# Altium PCB Printing2.PcbDoc (part 2 of 5) (continued)
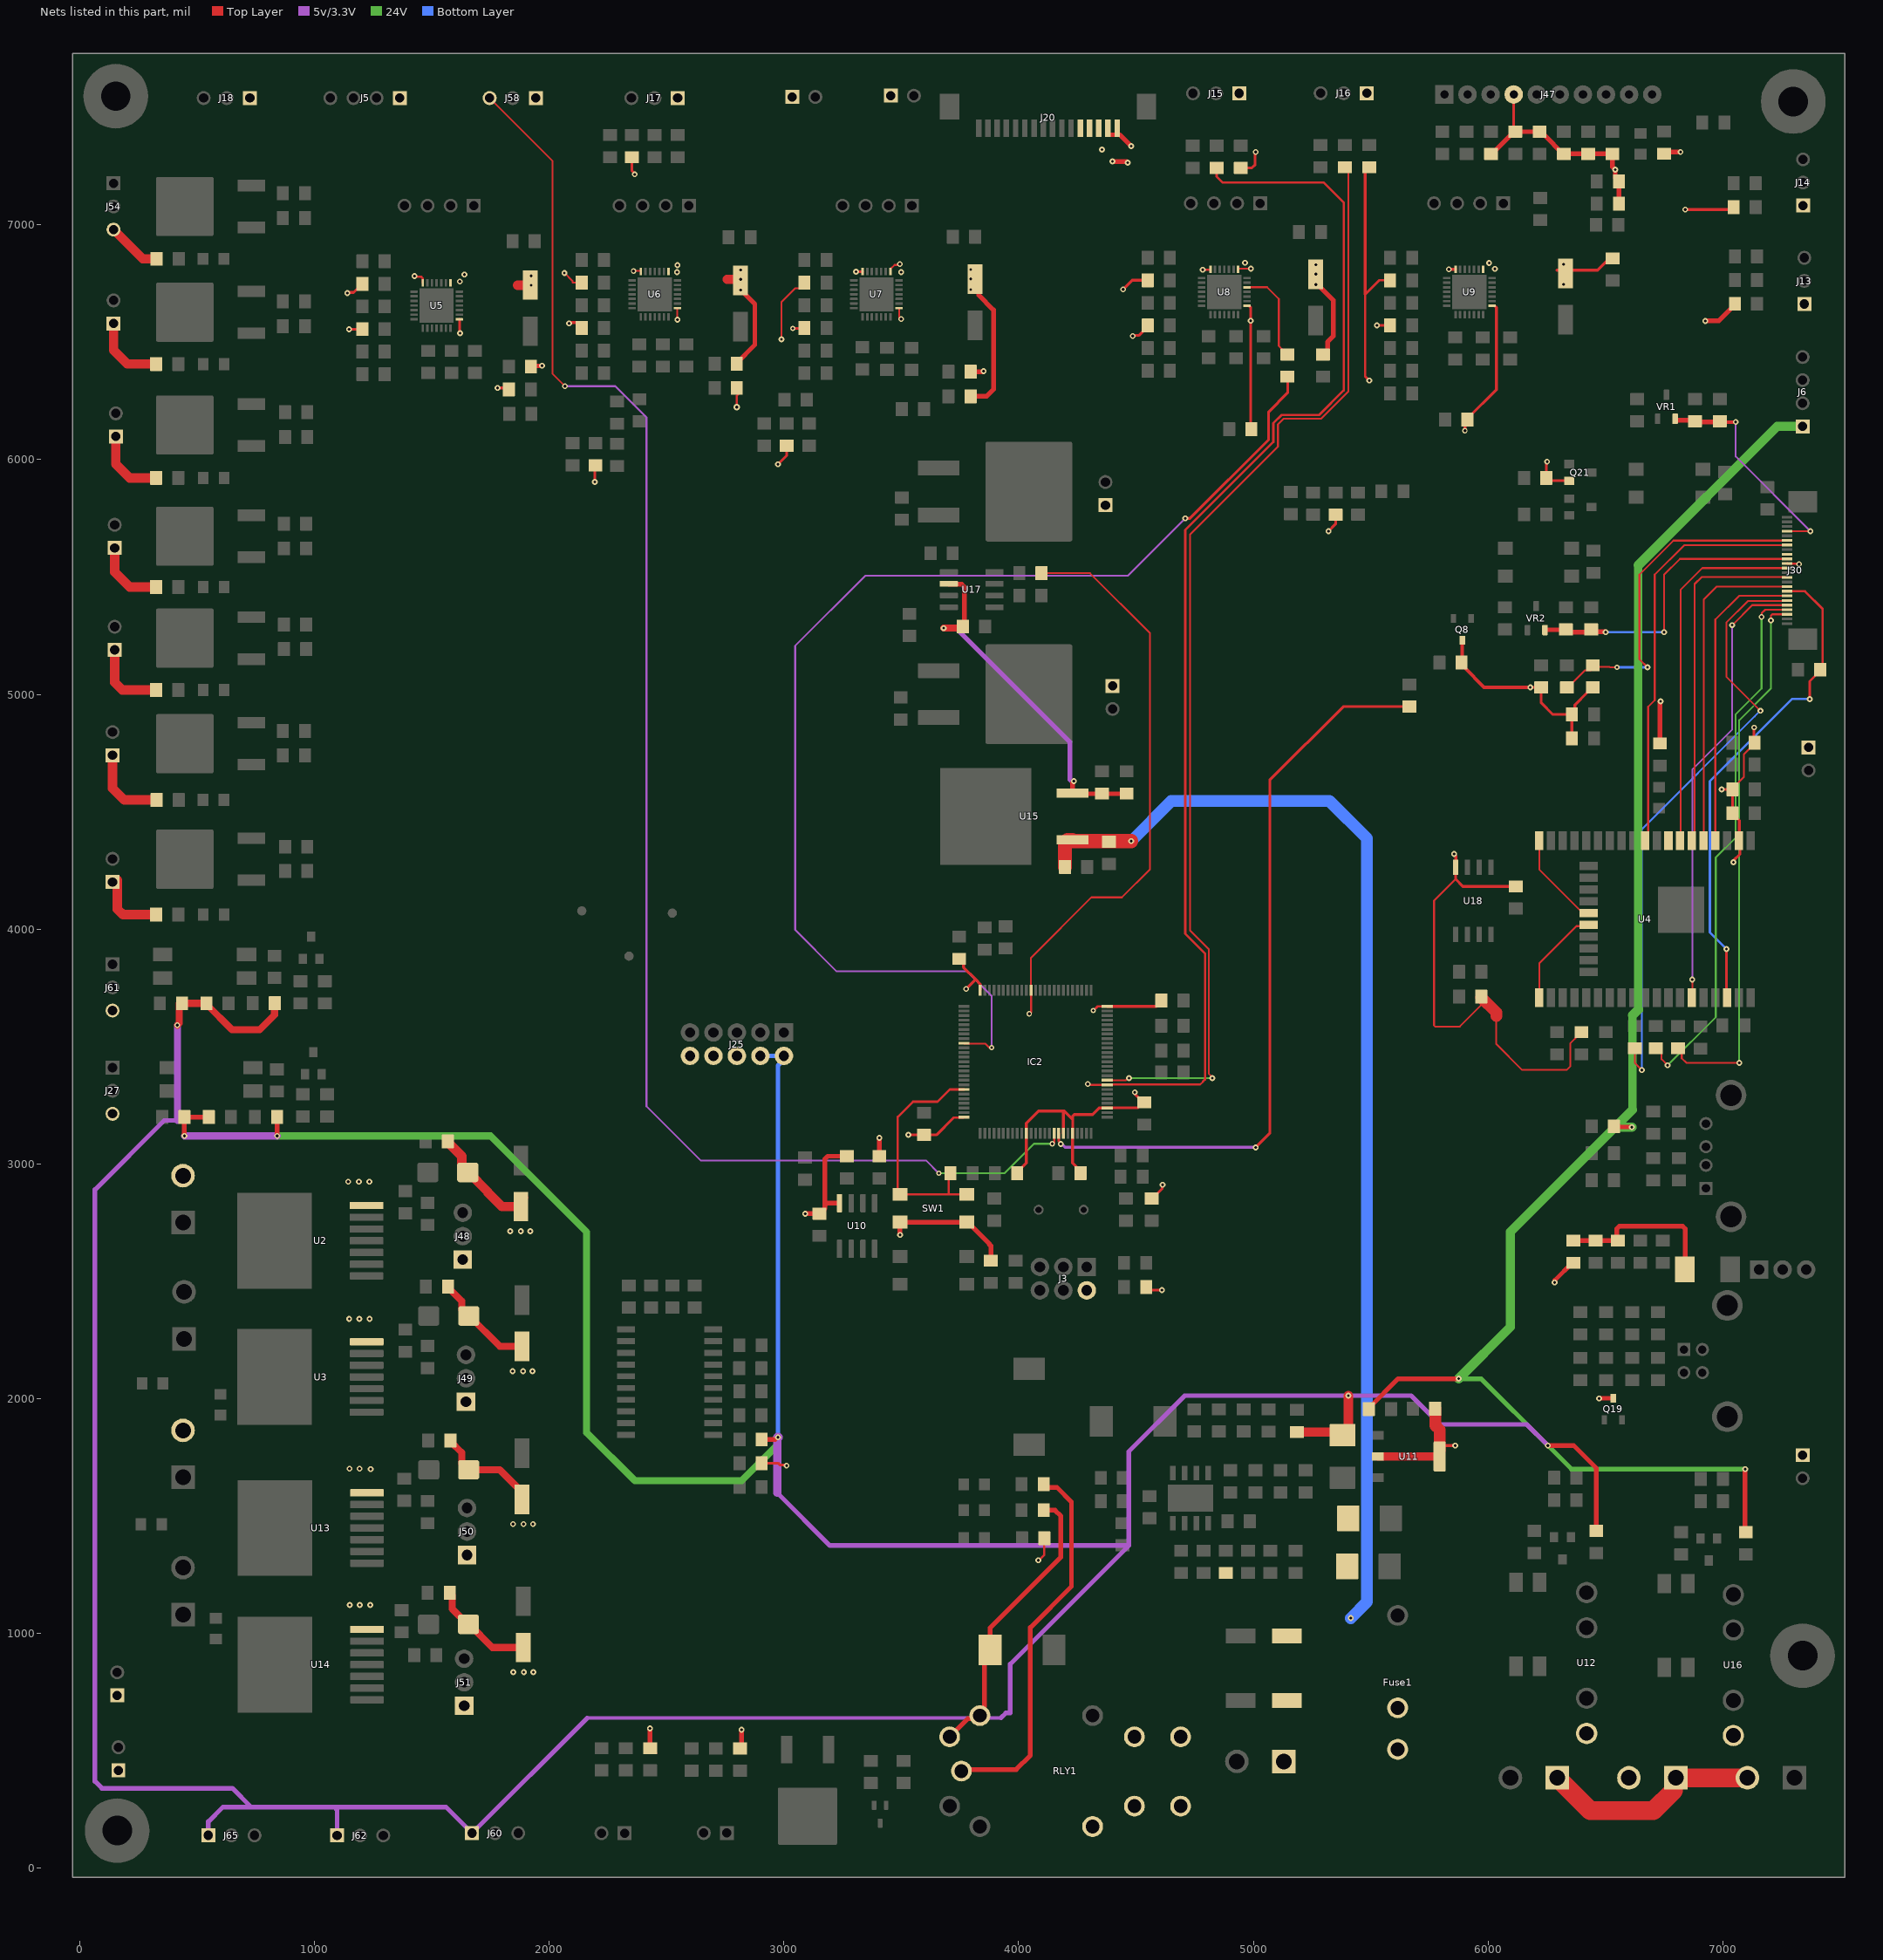
[diagram p4: the nets of this part, all layers, seen from the top]
## Part data (continued)
U2 U3 U13 U14: "Motor / Motion / Ignition Controllers & Drivers TRILITH IC / NOVALITH IC", Package="TO-263-8 Infineon Technologies", Availability="In Stock", Check_prices=https://www.snapeda.com/parts/BTN8982TA/Infineon+Technologies/view-part/?ref=eda, MF="Infineon Technologies", MP=BTN8982TA, Price=None, Purchase-URL=https://pricing.snapeda.com/search/part/BTN8982TA/?ref=eda, SnapEDA_Link=https://www.snapeda.com/parts/BTN8982TA/Infineon+Technologies/view-part/?ref=snap
U5 U6 U7 U8 U9: "Motor / Motion / Ignition Controllers & Drivers Stepper Motor Driver/Controller, 4.75-28V, 2.0A, Step/Dir, QFN28", Package="VFQFN-28 Trinamic", Availability="In Stock", Check_prices=https://www.snapeda.com/parts/TMC2209-LA/Trinamic/view-part/?ref=eda, MF=Trinamic, MP=TMC2209-LA, Price=None, Purchase-URL=https://pricing.snapeda.com/search/part/TMC2209-LA/?ref=eda, SnapEDA_Link=https://www.snapeda.com/parts/TMC2209-LA/Trinamic/view-part/?ref=snap
U10: "IC EEPROM 64K I2C 1MHZ 8SOIC", Package=None, Availability=Unavailable, MP=AT24CS64-SSHM-B, Price=None
U11: "Sot223/Pkg 1-Amp 3.3-Volt Low Drop Out Voltage Regulatator", Package=None, Availability=Unavailable, MF="Advanced Monolithic Systems", MP=AMS1117-3.3, Price=None, SnapEDA_Link=https://www.snapeda.com/parts/AMS1117-3.3/Advanced%20Monolithic%20Systems/view-part/53450/?ref=snap
U12 U16: library part CPC1998J
U15: "Linear Voltage Regulator IC Positive Fixed 1 Output 12V 1.5A D2PAK", Case/Package=TO-263, Dropout Voltage=2V, Manufacturer=STMicroelectronics, Max Input Voltage=35V, Max Operating Temperature=125°C, Max Output Current=1.5A, Max Output Voltage=12V, Min Input Voltage=14V, Min Operating Temperature=0°C, Package Quantity=1, Power Supply Rejection Ratio (PSRR)=55dB, Quiescent Current=8mA, Category="Voltage Regulators - Linear", ComponentLink1Description=https://datasheet.ciiva.com/34303/2027434-34303936.pdf?src-supplier=Jameco, ComponentLink1URL=https://datasheet.ciiva.com/34303/2027434-34303936.pdf?src-supplier=Jameco, ComponentLink2Description=https://datasheet.ciiva.com/5697/1696820-5697199.pdf?src-supplier=Farnell, ComponentLink2URL=https://datasheet.ciiva.com/5697/1696820-5697199.pdf?src-supplier=Farnell, ComponentLink3Description=https://datasheet.ciiva.com/1511/1805459-1511925.pdf?src-supplier=Element14, ComponentLink3URL=https://datasheet.ciiva.com/1511/1805459-1511925.pdf?src-supplier=Element14, ComponentLink4Description=https://datasheet.ciiva.com/7992/1805459-7992588.pdf?src-supplier=Element14, ComponentLink4URL=https://datasheet.ciiva.com/7992/1805459-7992588.pdf?src-supplier=Element14, ComponentLink5Description=https://datasheet.ciiva.com/2042/cd00000444-2042893.pdf?src-supplier=Digi-Key, ComponentLink5URL=https://datasheet.ciiva.com/2042/cd00000444-2042893.pdf?src-supplier=Digi-Key, ComponentLink6Description=https://datasheet.ciiva.com/2042/cd00000444-2042892.pdf?src-supplier=Digi-Key, ComponentLink6URL=https://datasheet.ciiva.com/2042/cd00000444-2042892.pdf?src-supplier=Digi-Key, ComponentLink7Description=https://datasheet.ciiva.com/2042/cd00000444-2042894.pdf?src-supplier=Digi-Key, ComponentLink7URL=https://datasheet.ciiva.com/2042/cd00000444-2042894.pdf?src-supplier=Digi-Key, Contact Plating=Tin,Matte, Height=4.6mm, Lead Free="Lead Free", Length=10.4mm, Manufacturer Part Number=L7812CD2T-TR, Min Output Voltage=12V, Mount="Surface Mount", Nominal Output Voltage=12V, Number of Outputs=1, Number of Pins=3, Number of Regulators=1, Output Current=1.5A, Output Type=Fixed, Output Voltage=12V, Packaging="Tape and Reel", Polarity=Positive, Pricing 1="1=1,17000, 10=0,99100, 100=0,76100, 500=0,67300 (EUR)", Radiation Hardening=No, Reach SVHC Compliant=Yes, RoHS=Yes, RoHS Compliant=Yes, Series=-, Stock 1=1396, Supplier 1=Farnell, Weight=0.01lb, Width=9.35mm
U17: "Low-Side Gate Driver IC Non-Inverting 8-SOIC", Package="SOIC-8 IXYS", Arrow_Electronics-Purchase-URL=https://snapeda.com/shop?store=Arrow+Electronics&id=610744, Availability=Good, DigiKey-Purchase-URL=https://snapeda.com/shop?store=DigiKey&id=610744, MF="IXYS Integrated", Mouser-Purchase-URL=https://snapeda.com/shop?store=Mouser&id=610744, MP=IX4427N, Price=None, SnapEDA_Link=https://www.snapeda.com/parts/IX4427N/IXYS%20Integrated%20Circuits%20Division/view-part/610744/?ref=snap
U19 U20 U21 U22: "Optoisolator Transistor Output 5000Vrms 1 Channel 4-SMD", Package="SMD-4 ON Semiconductor", Availability=Unavailable, MF="ON Semiconductor", MP=FOD817S, Price=None, SnapEDA_Link=https://www.snapeda.com/parts/FOD817S/ON%20Semiconductor/view-part/2890432/?ref=snap
VR1 VR2: library part XC6206P302MR, "Linear Voltage Regulator IC 1 Output 200mA SOT-23", Package=None, Availability=Unavailable, MP=XC6206P302MR, Price=None
XTAL1: "8MHz Â±30ppm Crystal 20pF 60 Ohms HC-49/US", Package="HC-49/US CTS-Frequency Controls", Availability=Good, Check_prices=https://www.snapeda.com/parts/ATS08A-E/CTS-Frequency%20Controls/view-part/2457201/?ref=eda, MF="CTS-Frequency Controls", MP=ATS08A-E, Price=None, Purchase-URL=https://pricing.snapeda.com/search/part/ATS08A-E/?ref=eda, SnapEDA_Link=https://www.snapeda.com/parts/ATS08A-E/CTS-Frequency%20Controls/view-part/2457201/?ref=snap

## Free pads (board coordinates)
  round 275.59 hole 125.98: ""(154,7548) ""(160,160) ""(7300,7525) ""(7340,905)

## Via types
v1: diameter 25, hole 12, Top Layer to Bottom Layer, tented both sides, 396 vias
v2: diameter 23, hole 12, Top Layer to Bottom Layer, tented both sides, 76 vias
v3: diameter 19.68, hole 11.81, Top Layer to Bottom Layer, 15 vias
v4: diameter 25, hole 12, Top Layer to Bottom Layer, 12 vias
v5: diameter 28, hole 14, Top Layer to Bottom Layer, tented both sides, 8 vias
v6: diameter 22, hole 12, Top Layer to Bottom Layer, tented both sides, 4 vias
v7: diameter 23, hole 14, Top Layer to Bottom Layer, tented both sides, 1 vias
v8: diameter 24, hole 12, Top Layer to Bottom Layer, tented both sides, 1 vias

## Nets (pads, with @x,y where several pads share a name; then routed paths per layer and width w, separated by ;. In a path a pad name is that pad's centre, name@x,y a point inside that pad or via, vN(x,y) a via of type N, cw(c..) or ccw(c..) an arc to the next point about the centre after c; other vN are vias at no path point)
4: IC2.17 J58.3 | length 6646.1
  Top Layer w8: J58.3@1746.57,7540 2015,7271.57 2015,6365 v1(2067.15,6312.84) ; v2(4143.5,3085.5) 4145.5,3085.5 4150.19,3090.19 4151.55,3090.19 4151.55,3129.67 IC2.17@4151.36,3129.87
  5v/3.3V w8: v1(2067.15,6312.84) 2282.16,6312.84 2415,6180 2415,3245 2645.5,3014.5 3605.5,3014.5 v6(3660,2960)
  24V w8: v6(3660,2960) 3940,2960 4065.5,3085.5 v2(4143.5,3085.5)
12V_MOTOR: IC2.64 R23.1 | length 2480
  Top Layer w8: IC2.64@4052.93,3740.11 4052.93,3877.93 4310,4135 4440,4135 4560,4255 4560,5260 4304,5516 R23.1@4097.24,5516
  Top Layer w10: v2(4045.5,3638.97) 4047.07,3638.97 4052.93,3644.82 IC2.64@4052.93,3740.11
24V_SW: Fuse1.1 J10.1 RLY1.3
220_L: J9.1 J12.2 J19.1 | length 957.3
  Top Layer w80: J19.1@6295,385 6435,245 6705,245 6789.8,329.8 6789.8,374.8 J9.1@6800,385 ; J9.1@6795,385 J12.2@7105,385
220_N: J9.2 U12.1 U16.1 | length 14
  Top Layer w50: U12.1@6420,567 U12.1@6420,574 ; J9.2@6595,385 J9.2@6595,392
+3V3: C1.1 C2.1 C3.1 C4.1 C5.1 C6.1 C7.2 C18.2 C28.1 C29.1 C43.1 C44.1 C55.1 C56.1 C66.1 C70.2 C71.2 C104.1 C105.1 IC2.11 IC2.19 IC2.21 IC2.28 IC2.50 IC2.75 IC2.100 J3.2 J25.6 J25.8 J25.10 J30.14 J47.4 J48.1 J49.1 J50.1 J51.1 J66.1 L1.1 Q8.3 Q19.3 R1.2 R2.2 R7.1 R20.2 R24.1 R25.2 R26.2 R28.2 R33.1 R40.1 R41.1 R42.1 R43.1 R49.1 R50.1 R51.1 R58.1 R59.1 R73.2 R75.2 R85.1 R88.2 R89.2 R98.2 R99.2 R108.2 R113.2 R114.2 R115.2 R116.2 R117.2 R118.1 R139.1 R156.2 R169.2 R186.2 SW1.2 SW1.3 U4.2 U5.15 U6.15 U7.15 U8.15 U9.15 U10.8 U11.2 U11.4 U18.8 | length 13255.1
  Top Layer w8: v1(2065,6795) 2099.99,6760.01 2099.99,6753.75 R89.2@2138.98,6753.75 ; v1(2546.3,6596.22) U6.15@2546.3,6645.1 ; v5(2799.41,6223.33) 2799.41,6272.09 2804.65,6277.33 C44.1@2799.65,6282.33 ; v1(2989.41,6512.33) 2989.41,6670.33 3048.58,6729.5 3065.57,6729.5 3087.17,6751.09 R98.2@3087.17,6753.75 ; U7.15@3491.1,6645.1 3491.1,6606.64 v1(3499.41,6598.33) ; 3721.75,3195.5 3723.38,3197.13 3765.86,3197.13 IC2.100@3767.5,3198.77 ; C55.1@3795.65,6374.33 C55.1@3816.19,6353.8 ; 5861.72,4212.87 5770,4121.15 5770,3589.69 5774.69,3585 5880,3585 5970.96,3675.96 5970.96,3708.93 R33.1@5970.96,3712.87 ; 6035,3630 6035,3510 6145,3400 6335,3400 6350,3415 6350,3513.21 6372.13,3535.34 6372.13,3539.28 6393.72,3560.87 R139.1@6397.65,3560.87 ; C29.1@7041.85,4595.76 7041.85,4599.7 7090,4647.85 7090,4744.83 7135.72,4790.55 R51.1@7135.72,4794.49 ; J30.14@7274.91,5558.56 J30.14@7273.76,5557.4 7274.96,5556.2 7323.8,5556.2 v1(7325,5555)
  Top Layer w10: R75.2@2430,515.31 R75.2@2454.73,490.58 ; R73.2@2813.44,510 R73.2@2820,516.56 ; v1(4083.98,1311.87) 4086.87,1311.87 4109.49,1334.49 R169.2@4109.49,1405 ; v2(4318.19,3653.19) 4335.91,3670.91 IC2.50@4377.44,3670.91 ; R7.1@4543.88,2474.75 4556.13,2462.5 v1(4610.75,2462.5) ; v1(5494.41,6336.33) 5476.41,6354.33 5476.41,6704.33 5535.83,6763.75 R108.2@5582.24,6763.75 ; C70.2@6109.01,7399.03 J47.4@6109.01,7555.28
  Top Layer w12: v1(1140.41,6709.33) 1142.9,6711.82 1167.35,6711.82 1204.92,6749.39 R88.2@1204.92,6753.33 ; U5.15@1617.09,6597.35 1618.06,6597.35 1618.75,6596.66 1618.75,6539.99 v1(1620.41,6538.33) ; v1(1780,6305) 1822.5,6305 C43.1@1828.17,6299.33 ; v1(2195,5905) 2195,5973.21 R50.1@2197.31,5975.51 ; R49.1@2353,7287.57 R49.1@2352.39,7288.18 2352.39,7231.13 2365,7218.52 v1(2365,7215) ; R156.2@2905.46,1725.07 2975.07,1725.07 2982.65,1717.49 3009.08,1717.49 v1(3011.57,1715) ; v1(2975,5980) 3012.11,6017.11 R58.1@3012.11,6059.18 R58.1@3013.43,6057.87 ; v1(3530.75,3123.5) 3596.51,3123.5 C4.1@3596.75,3123.26 3649.51,3123.26 3721.75,3195.5 ; C1.1@3745.96,3873.26 3765.56,3853.67 3765.56,3836.69 3816.75,3785.5 ; v2(3776.51,3745.26) 3816.75,3785.5 ; IC2.75@3836.4,3740.11 3836.1,3740.41 3836.1,3766.15 3816.75,3785.5 ; C3.1@3993.99,2960.5 3993.99,2964.44 4033.25,3003.69 IC2.11@4033.25,3129.87 4033.25,3173.25 4085,3225 4195,3225 ; IC2.19@4190.73,3129.87 4190.73,3220.73 4195,3225 ; C5.1@4263.99,2965.5 4263.99,2969.44 4230.1,3003.33 IC2.21@4230.1,3129.87 4230.4,3130.17 4230.4,3151.61 4230.48,3151.69 4230.48,3189.52 ; IC2.50@4377.44,3670.91 IC2.50@4377.73,3671.21 4587.58,3671.21 4607.93,3691.56 C6.1@4607.93,3695.5 ; v2(4445,6725) 4483.75,6763.75 R99.2@4549.96,6763.75 ; v1(4495,3305) 4497.49,3302.51 4497.49,3295.82 C2.1@4531.06,3262.24 ; C2.1@4535,3262.24 C2.1@4531.06,3262.24 ; L1.1@4566.75,2852.74 4570.69,2852.74 4611.26,2893.32 4611.26,2908.51 v1(4613.75,2911) ; R42.1@4946.56,7242.51 4994.09,7242.51 5007.51,7255.94 5007.51,7307.51 v1(5010,7310) ; U8.15@4972.8,6655.1 4982.06,6655.1 4988.41,6648.75 v1(4988.41,6591.33) 4988.41,6132.58 C56.1@4991.65,6129.33 ; v1(5320,5695) 5350.74,5725.74 R59.1@5350.74,5765.18 R59.1@5352,5763.92 ; 5476.41,6704.33 5476.41,7227.98 R43.1@5493.94,7245.51 ; U11.4@5793.68,1753.88 5793.68,1780.21 5813.47,1800 v1(5860,1800) ; v1(5855,4320) 5862.72,4312.28 5862.72,4263.87 U18.8@5861.72,4262.87 5861.72,4212.87 5892.47,4182.11 C105.1@6117.72,4182.11 ; R85.1@5890,5157.24 5872.76,5140 5872.76,5136.06 5894.35,5114.47 R85.1@5898.28,5114.47 ; v2(5901.41,6123.33) 5901.41,6160.09 C66.1@5911.65,6170.33 5911.65,6174.27 6035.41,6298.02 6035.41,6648.07 6028.38,6655.1 U9.15@6016.89,6655.1 ; v1(6180,5030) 6225.67,5030 C104.1@6226.2,5029.47 6226.2,4963.8 6275.28,4914.72 R26.2@6357.26,4914.72 ; R25.2@6357.26,4812.72 R26.2@6357.26,4914.72 ; R28.2@6442.2,5029.47 6422.61,5009.88 6422.61,5007.61 6370.21,4955.21 6370.21,4927.67 R26.2@6357.26,4914.72 ; v1(6840,7065) 7035.4,7065 R41.1@7045.9,7075.5 R41.1@7044.86,7076.54 ; v1(6995,4595) 7041.09,4595 C29.1@7041.85,4595.76 C28.1@7041.85,4493.8 7041.85,4489.86 7061.44,4470.27 7062.97,4470.27 7070,4463.24 7070,4378.58 U4.2@7068.41,4376.99 ; v1(7045,4285) 7045,4291.51 7073.11,4319.62 7073.11,4372.01 U4.2@7071.27,4373.85 ; v2(7133.63,4858.63) 7132.72,4857.72 7132.72,4797.49 R51.1@7135.72,4794.49 ; 4195,3225 4230.48,3189.52 ; 4230.48,3189.52 4230.48,3202.97 4237.51,3210 4315,3210 4343.14,3238.14 IC2.28@4377.73,3238.14 4378.03,3238.44 4399.47,3238.44 4399.56,3238.52 4507.34,3238.52 C2.1@4531.06,3262.24
  Top Layer w15: R85.1@5890,5157.24 Q8.3@5890,5230 ; R85.1@5898.28,5114.47 5982.76,5030 v1(6180,5030)
  Top Layer w20: R75.2@2430,515.31 v1(2430,595) ; R73.2@2820,516.56 v1(2820,590) ; v1(3090.86,2787.74) C7.2@3151.75,2787.74 3155.69,2787.74 3171.28,2803.33 3171.28,2807.27 3175,2810.99 3175,2824.75 ; U10.8@3236.75,2832.74 3234.94,2832.74 3182.99,2832.74 3175,2824.75 ; R2.2@3267.54,3035.34 R2.2@3268.33,3034.56 ; R2.2@3268.33,3032.74 3186.72,3032.74 3175,3021.03 3175,2824.75 ; R1.2@3406.75,3032.74 3406.85,3032.84 3406.85,3110.2 v1(3406.95,3110.3) ; v1(3494.75,2697.5) 3494.75,2750.82 SW1.3@3495.84,2751.92 SW1.2@3779.31,2751.92 3783.25,2751.92 3874.75,2660.41 3874.75,2657.5 3881.75,2650.5 R20.2@3881.75,2587.74 ; C55.1@3795.65,6374.33 3848.41,6374.33 v1(3850.41,6376.33) ; R116.2@6012.36,7302.24 6016.3,7302.24 6095.19,7381.14 6105.4,7381.14 C70.2@6116.15,7391.89 ; C70.2@6115.86,7396.73 C71.2@6219.36,7396.73 6234.96,7381.14 6240.03,7381.14 6318.93,7302.24 R115.2@6322.87,7302.24 R114.2@6426.37,7302.24 R113.2@6529.87,7302.24 6529.87,7246.65 v1(6541.65,7234.87) 6541.65,7200.59 R186.2@6557.24,7185 6557.42,7184.82 6557.42,7090.18 R117.2@6557.6,7090 ; v1(6473,2001) 6473.63,2001.63 6532.37,2001.63 Q19.3@6533,2002.26 ; R24.1@6732.13,4790.96 6732.13,4965.78 6735,4968.65 v1(6735,4970) ; R118.1@6750,7302.76 6757.24,7310 v1(6820,7310) ; v1(6925,6590) v1@6925.96,6590.96 ; v1@6925.48,6590.96 v1@6925.96,6590.96 ; R40.1@7051.51,6663.52 7051.51,6659.59 6982.88,6590.96 v1@6925.96,6590.96
  Top Layer w35: U11.2@5530.3,1753.88 U11.4@5793.68,1753.88
  Top Layer w50: C18.2@5774.74,1957.5 5774.74,1886.26 5793.68,1867.32 U11.4@5793.68,1780.21 ; R33.1@5970.96,3708.93 6035,3644.89 6035,3630
+5V: C22.2 D1.2 D7.K J5.1 J6.1 J13.1 J14.1 J15.1 J16.1 J17.1 J18.1 J25.2 J25.4 J58.1 J60.1 J62.1 J65.1 L3.1 L6.2 L10.2 R35.2 R37.2 R38.1 R39.1 R65.1 R69.1 R155.1 R167.2 R187.1 R188.1 RLY1.5 | length 28655.5
  Top Layer w20: v1(446.06,3119.06) 446.06,3199.49 R35.2@446.12,3199.55 R38.1@550.06,3199.55 ; v1(841.2,3119.2) 841.2,3199.35 R65.1@841.39,3199.55 ; R155.1@2905.46,1826.25 2962.19,1826.25 ; RLY1.5@3706.11,559.57 3783.41,636.88 3821.88,636.88 RLY1.5@3835,650 ; RLY1.5@3855,656.1 3848.12,662.98 3848.12,681.68 3855,688.56 3855,905.83 D7.K@3879.17,930 3879.17,1024.17 4180,1325 4180,1500 4155,1525 R167.2@4107.24,1525 ; C22.2@5491.91,1955.85 5491.91,1959.78 5617.13,2085 v4(5875,2085) ; v1(6255,1800) 6365,1800 6461,1704 R188.1@6461,1436.49 ; v1(6283.5,2495) 6284.46,2495.96 6284.46,2504.15 6359.06,2578.76 L10.2@6363,2578.76 ; L3.1@6557.24,3160 6560.29,3156.96 6611.04,3156.96 v1(6612,3156) ; v1(7095,1700) 7095,1434.49 R187.1@7098,1431.49
  Top Layer w30: v1(416,3591) 424.27,3599.27 424.27,3683.91 R37.2@436.12,3683.91 R39.1@525.06,3683.91 ; R39.1@540.06,3683.91 540.06,3679.98 649.03,3571 767,3571 830,3634 830,3682.91 R69.1@831.39,3684.31
  Top Layer w40: L6.2@5185,1857.76 D1.2@5335,1857.76 ; D1.2@5380.1,1844.43 5405,1869.33 v1(5405,2012.76)
  5v/3.3V w15: 2162.24,640 3924.43,640
  5v/3.3V w20: 416,3185 360,3185 65,2890 65,370 95,340 650,340 730,260 ; J65.1@548.15,140 548.15,198.15 610,260 730,260 ; J62.1@1096.57,139.33 1096.57,248.28 1084.86,260 ; 2162.24,640 J60.1@1671.57,149.33 1560.91,260 1084.86,260 ; 2972.07,1598.64 3196.21,1374.5 4469.5,1374.5 ; 3924.43,640 3945.65,661.22 3964.21,661.22 3964.21,869.21 4469.5,1374.5 ; v1(6255,1800) 6165,1890 5795,1890 5672.24,2012.76 v1(5405,2012.76) 4707.76,2012.76 4469.5,1774.5 4469.5,1374.5 ; 730,260 1084.86,260
  5v/3.3V w30: 416,3185 v1(416,3591) ; v1(446.06,3119.06) 841.06,3119.06 v1(841.2,3119.2)
  5v/3.3V w35: 2972.07,1598.64 v1@2972.07,1832.07
  5v/3.3V w40: v1@2972.07,1832.07 v1(2975,1835)
  24V w20: v4(5875,2085) 5970,2085 v1(6255,1800) 6355,1700 v1(7095,1700)
  24V w30: v1(841.2,3119.2) 1750.8,3119.2 2160,2710 2160,1855 2365,1650 2820,1650 2975,1805 v1(2975,1835)
  24V w35: 6615.5,3230.5 6615.5,3633 ; 6640,3657.5 6640,5550
  24V w40: v4(5875,2085) 6095,2305 6095,2710 6541,3156 ; v1(6612,3156) 6541,3156 ; 6615.5,3230.5 6541,3156 ; 6615.5,3633 6640,3657.5 ; 6640,5550 7231.57,6141.57 J6.1@7340,6141.57
  Bottom Layer w20: J25.4@2900,3460 J25.2@3000,3460 3000,3444.1 2975,3419.1 v1(2975,1835)
+5VD: C10.2 F1.1 L10.1 R10.2 | length 710.7
  Top Layer w20: L10.1@6363,2673.24 C10.2@6458.24,2673.24 6548,2673.24 6548,2723.28 6559.72,2735 6828.28,2735 6840,2723.28 6840,2551.65 F1.1@6838.35,2550
+12V: C82.2 C83.2 C95.1 U15.2 U17.6 | length 1535.7
  Top Layer w20: U17.6@3702.56,5471 3704.37,5469.19 3757.28,5469.19 3769,5457.47 3769,5295.24 C95.1@3762.76,5289 ; U15.2@4213.03,4575 4214.41,4576.38 4355,4576.38 4458.62,4576.38 C83.2@4460,4577.76 ; U15.2@4230,4580 4230,4623.65 4235,4628.65 v1(4235,4630)
  Top Layer w30: v1(3681,5282) 3755.76,5282 C95.1@3762.76,5289
  5v/3.3V w20: v1(3681,5282) 3733,5282 4218.03,4796.97 4218.03,4636.97 v1@4225,4630
+24V: C20.1 C21.1 C84.2 C85.2 D8.1 D17.1 L4.1 U15.1 | length 4898.4
  Top Layer w60: C85.2@4197.76,4265 4197.76,4369.69 4208.07,4380 U15.1@4230,4380 ; U15.1@4213.03,4375 v1(4480,4375)
  Bottom Layer w50: v1(4480,4375) 4650,4545 5325,4545 5484.5,4385.5 5484.5,1134.5 v1(5415,1065)
+24VA: C41.2 C42.2 C47.1 C48.1 C49.1 C50.1 C53.2 C54.2 C59.1 C60.1 C61.1 C62.1 C65.2 C68.1 C69.1 C76.2 C86.1 C87.1 C88.2 C89.1 C90.1 C91.2 C92.2 D10.K D11.K D12.K D13.K J7.1 J8.1 J11.1 J20.1 J20.2 J20.3 J20.4 J20.5 J27.3 J28.1 J29.1 J31.1 J32.1 J33.1 J52.1 J53.1 J54.3 J55.1 J61.3 J63.1 J64.1 P1.2 P4.2 R30.2 R170.2 R185.2 R193.2 R194.2 R195.2 R196.2 R197.2 RLY1.1 U2.7 U3.7 U5.22 U5.28 U6.22 U6.28 U7.22 U7.28 U8.22 U8.28 U9.22 U9.28 U13.7 U14.7 | length 8202.8
  Top Layer w8: v7(2359.41,6803.33) 2389.47,6803.33 2390.79,6802.02 U6.28@2390.79,6800.61 ; U7.22@3453.7,6800.61 3453.7,6811.24 3471.43,6828.98 3490.58,6828.98 v1(3494.41,6832.8) ; v1(4784.41,6808.33) 4815.97,6808.33 4817.28,6809.65 U8.28@4817.28,6810.61 ; U8.22@4935.39,6810.61 4935.39,6812.02 4936.71,6813.33 v1(4989.41,6813.33)
  Top Layer w10: v1(1426.41,6781.33) 1428.9,6778.84 1454.55,6778.84 1461.57,6771.81 U5.28@1461.57,6752.86
  Top Layer w12: v1(1147.41,6555.33) 1203.69,6555.33 C41.2@1204.92,6556.57 ; U2.7@1157.91,2832.24 1167.46,2822.68 U2.7@1221.91,2822.68 ; v1(2085,6580) 2088.87,6583.87 2119.39,6583.87 2138.98,6564.28 C42.2@2138.98,6561.04 ; v2(3037.91,6558.33) C53.2@3087.17,6558.33 ; v1(3307.41,6800.33) 3307.55,6800.47 3335.45,6800.47 U7.28@3335.59,6800.61 ; C59.1@3795.65,6269.33 C59.1@3800.41,6274.09 ; v1(4486.41,6526.33) 4488.9,6528.82 4511.68,6528.82 4549.96,6567.1 C54.2@4549.96,6571.04 ; v1(5526.41,6571.33) 5581.95,6571.33 C65.2@5582.24,6571.04 ; v1(5833.41,6810.33) 5833.55,6810.47 5861.24,6810.47 U9.28@5861.38,6810.61 ; 6293.41,6806.33 6466.33,6806.33 C68.1@6520,6860 ; C69.1@6310.65,6791.33 C69.1@6326.41,6775.58
  Top Layer w20: C47.1@1922.65,6396.33 1925.37,6399.04 1969.04,6399.04 v1(1970,6400) ; C48.1@2799.65,6408.33 2799.65,6412.27 2876.41,6489.02 2876.41,6662.33 v1(2816.41,6722.33) ; RLY1.1@3756.26,413.78 3762.48,420 3990,420 4050,480 4050,1025 4225,1200 4225,1560 4162.83,1622.17 4120.08,1622.17 R30.2@4107.24,1635 ; C59.1@3795.65,6269.33 3863.41,6269.33 3893.41,6299.33 3893.41,6637.33 3829.41,6701.33 ; J20.2@4380.9,7410.98 4380.9,7385.39 4382.72,7383.58 J20.1@4431.42,7383.58 ; v4(4400,7270) 4460,7270 v4(4465,7265) ; J20.1@4420.28,7383.58 J20.1@4431.42,7383.58 ; v4(4480,7335) J20.1@4431.42,7383.58 ; C62.1@5286.41,6733.33 5340.41,6679.33 5340.41,6525.33 5315.94,6500.86 5315.94,6463.17 5300.35,6447.58 C60.1@5296.41,6447.58
  Top Layer w30: C88.2@1569.51,2476.98 1569.51,2473.04 1627.23,2415.32 1627.23,2378.71 1653.96,2351.98 D10.K@1657.31,2351.98 1660.65,2351.98 1790.34,2222.29 C87.1@1883.72,2222.29 ; C92.2@1577.03,1173.47 1587.62,1162.88 1587.62,1104.02 1652.82,1038.83 D13.K@1656.17,1038.83 1659.51,1038.83 1758.33,940.01 C90.1@1890.41,940.01 ; C91.2@1579.51,1821.98 1579.51,1818.04 1627.27,1770.28 1627.27,1723.71 1654,1696.98 D12.K@1657.35,1696.98 1789.35,1696.98 1883.72,1602.61 C89.1@1883.72,1571.11
  Top Layer w40: J29.1@140,4740.79 140,4600 190,4550 R185.2@327.76,4550 ; J52.1@144.23,6579.44 144.23,6465.77 203,6407 R196.2@325.76,6407 ; J54.3@144.23,6979.76 268.76,6855.23 327.53,6855.23 R195.2@327.76,6855 ; J32.1@149.23,5189.68 149.23,5050.77 181.65,5018.35 R194.2@325.76,5018.35 ; J33.1@149.23,5623.81 149.23,5520.77 213,5457 R197.2@325.76,5457 ; J31.1@154.23,6098.34 154.23,5980.77 213,5922 R193.2@325.76,5922 ; J28.1@160.67,4208.9 160.67,4085.43 184.1,4062 R170.2@325.76,4062 ; C76.2@1568.37,3096.31 1568.37,3092.37 1628.33,3032.41 1628.33,2985.36 1650.06,2963.63 D11.K@1653.41,2963.63 1656.76,2963.63 1738.78,2881.61 1738.78,2878.26 1799.07,2817.97 C86.1@1879.78,2817.97 1879.78,2844.31 C86.1@1891.28,2855.8 ; 1865.86,6742.33 v1(1923.41,6742.33) ; 2758.86,6767.33 v1(2816.41,6767.33)
  other v1: 1847.27,834.98 1892.27,834.98 1932.27,834.98 1150.27,1120.98 1193.27,1120.98 1238.27,1120.98 1846.27,1465.98 1891.27,1465.98 1931.27,1465.98 1240,1700 1149.27,1701.98 1192.27,1701.98 1844.27,2116.98 1889.27,2116.98 1929.27,2116.98 1148.27,2339.98 1191.27,2339.98 1235,2340 1834.27,2712.98 1879.27,2712.98 1919.27,2712.98 1144.27,2923.98 1189.27,2923.98 1234.27,2923.98 3796.41,6724.33 5266.41,6745.33 1619.41,6758.33 3796.41,6769.33 1923.41,6782.33 1639.41,6788.33 5266.41,6790.33 2544.41,6798.33 3499.41,6798.33 2816.41,6807.33 3796.41,6809.33 6029.41,6812.33 2546.5,6827.8 5266.41,6830.33 6004.41,6837.33 4964.41,6838.33
  other v2: 6321.5,6746.33 6321.5,6831.33
  other v4: 4355,7320
BOOT0: IC2.94 R19.2 SW1.1 SW1.4 | length 1047.4
  Top Layer w10: R19.2@3701.75,2966.73 3701.75,2870.03 ; IC2.94@3766.2,3315.58 IC2.94@3767.5,3316.88 3706.88,3316.88 3655,3265 3550,3265 3485,3200 3485,2880.87 SW1.4@3495.84,2870.03 3701.75,2870.03 ; SW1.1@3779.31,2870.03 3701.75,2870.03
BTN_EN1: IC2.33 R47.1 | length 5277.3
  Top Layer w8: v2(4295,3340) 4298.44,3336.56 IC2.33@4377.73,3336.56 4379.67,3338.5 4773.5,3338.5 4785,3350
  Top Layer w10: 4785,3350 4794,3359 4794,3896 4710,3980 4710,5700 5085,6075 5085,6155 5120,6190 5280,6190 5385,6295 5385,7095 5300,7180 4870,7180 4844,7206 R47.1@4844,7242.51
BTN_EN2: IC2.34 R48.1 | length 4755.8
  Top Layer w8: IC2.34@4377.36,3355.87 IC2.34@4377.73,3356.25 4456.65,3356.25 4465.4,3365 v1(4470,3365) ; v1(4825,3365) 4825,3369.6 4810,3384.6 4810,3915 4730,3995 4730,5680 5105,6055 5105,6150 5129,6174 5289,6174 5405,6290 5405,7235.51 R48.1@5390,7250.51
  24V w8: v1(4470,3365) v1(4825,3365)
CAM: IC2.18 R86.1 | length 3199.2
  Top Layer w12: IC2.18@4171.04,3129.87 4171.34,3129.57 4171.34,3097.18 4180,3088.52 v4(4180,3085) ; v4(5010,3070) 5070,3130 5070,4635 5382.76,4947.76 R86.1@5665,4947.76
  5v/3.3V w12: v4(4180,3085) 4183.52,3085 4198.13,3070.39 5009.61,3070.39 v4(5010,3070)
CAM_PWR: U4.8
CAM_RST: C99.1 J30.19 R28.1 | length 1480.2
  Top Layer w8: C99.1@6336.17,5029.47 6340.1,5029.47 6361.69,5051.06 6361.69,5051.69 6412.38,5102.38 6436.13,5102.38 6451.92,5118.17 6452.38,5117.72 6517.28,5117.72 6520,5115 v2(6549.5,5115) ; v1(6679.5,5115) 6645,5149.5 6645,5510 6790,5655 7272.93,5655 J30.19@7273.76,5655.83
  Bottom Layer w10: v2(6549.5,5115) v1(6679.5,5115)
CLK: U4.20 | length 426.1
  Top Layer w8: U4.20@6217.91,3705.79 6217.91,3854.08 6376.64,4012.8 6424.8,4012.8 U4.20@6428.43,4016.43
CMD: U4.19 | length 409.1
  Top Layer w8: U4.19@6217.91,4375.08 6217.91,4254.31 6392.07,4080.15 6414.72,4080.15 U4.19@6428.43,4066.43
CSI-1.2V: C101.1 C102.2 J30.15 VR2.2 | length 1301.2
  Top Layer w8: v1(6750,5265) 6750,5510 6817.09,5577.09 J30.15@7273.76,5577.09
  Top Layer w10: J30.15@7273.44,5577.4 J30.15@7273.76,5577.09
  Top Layer w20: VR2.2@6242.4,5273.82 6243.73,5275.15 6318.07,5275.15 C101.1@6324.12,5269.09 ; C101.1@6331.5,5264.72 6438.98,5264.72 6440.22,5265.96 6499.54,5265.96 v1(6500.5,5265)
  Bottom Layer w10: v1(6500.5,5265) v1(6750,5265)
CSI-2.8V: C96.1 C98.2 J30.21 VR1.2 | length 962.2
  Top Layer w8: C98.2@6990.22,6165.48 C98.2@6995.7,6160 ; J30.21@7273.76,5695.2 7273.85,5695.1 7372.9,5695.1 v1(7373,5695)
  Top Layer w15: C98.2@6995.7,6160 v1(7055,6160)
  Top Layer w20: VR1.2@6796.94,6173.86 6796.94,6169.53 6798.76,6167.72 6876.71,6167.72 C96.1@6881.2,6163.23 ; C96.1@6881.2,6160.47 C98.2@6989.07,6160.47
  5v/3.3V w8: v1(7055,6160) 7055,6013 v1(7373,5695)
CSI_D0: J30.6 R173.1 | length 2577.7
  Top Layer w8: R173.1@6625,3492.76 6625,3430 v1(6655,3400) ; v1(7160,4929.94) 7015,5074.94 7015,5305.31 7106.83,5397.14 7251.42,5397.14 7252.29,5398.02 7271.85,5398.02 J30.6@7273.76,5399.92
  Bottom Layer w8: v1(6655,3400) 6655,4425 7135.71,4905.71 7135.77,4905.71 v1(7160,4929.94)
CSI_D1: J30.4 R171.2 | length 2300.9
  Top Layer w8: R171.2@6715,3492.76 6717.66,3492.76 6739.25,3471.17 6739.25,3445.75 v1(6765,3420) ; v1(7165,5330) 7166.1,5331.1 7166.1,5346.1 7180.55,5360.55 J30.4@7273.76,5360.55
  24V w8: v1(6765,3420) 6970,3625 6970,4305 7055,4390 7055,4915 7165,5025 v1(7165,5330)
CSI_D2: J30.3 R172.2 | length 2334.4
  Top Layer w8: R172.2@6810,3492.76 6825,3477.76 6825,3450 6845,3430 v1(7070,3430) ; v1(7205,5315) 7205,5335 7210.87,5340.87 J30.3@7273.76,5340.87
  24V w8: v1(7070,3430) 7070,4890 7205,5025 v1(7205,5315)
CSI_D3: J30.5 U4.33 | length 1927.4
  Top Layer w8: U4.33@6868.41,3707.7 6870,3709.29 v1(6870,3785) ; v1(7040,5295) 7125,5380 7185,5380 7185.24,5380.24 J30.5@7273.76,5380.24
  5v/3.3V w8: v1(6870,3785) 6870,4680 7040,4850 v1(7040,5295)
CSI_D4: J30.7 U4.4 | length 1288.7
  Top Layer w8: U4.4@6968.41,4376.99 6968.41,5318.41 7069.61,5419.61 J30.7@7273.76,5419.61
CSI_D5: J30.9 U4.5 | length 1404.8
  Top Layer w8: U4.5@6918.41,4376.99 6918.41,5403.41 6973.98,5458.98 J30.9@7273.76,5458.98
CSI_D6: J30.11 U4.6 | length 1504.7
  Top Layer w8: U4.6@6868.41,4376.99 6880,4388.58 6880,5470 6910,5500 7272.1,5500 J30.11@7273.76,5498.35
CSI_D7: J30.13 U4.7 | length 1560.8
  Top Layer w8: U4.7@6818.41,4376.99 6820,4378.58 6820,5445 6912.72,5537.72 J30.13@7273.76,5537.72
CSI_HSYNC: J30.16
CSI_PCLK: C103.1 J30.8 U4.36 | length 2105.7
  Top Layer w10: v1(7015.5,3915) 7015.5,3710.61 U4.36@7018.41,3707.7 ; J30.8@7273.76,5439.29 7349.56,5439.29 7425.13,5363.72 7425.13,5175.72 7425,5175.58 C103.1@7425,5115 ; v1(7370,4980) 7370,5056.06 7415,5101.06 C103.1@7415,5105 ; C103.1@7419,5105.06 C103.1@7419,5113
  Bottom Layer w10: v1(7015.5,3915) 6945,3985.5 6945,4630 7295,4980 v1(7370,4980)
CSI_VSYNC: J30.18 U4.10 | length 1766.2
  Top Layer w8: U4.10@6668.41,4376.99 6682.13,4390.71 6682.13,4947.24 6710,4975.12 6710,5510 6835,5635 7246.36,5635 7246.72,5635.36 7272.98,5635.36 J30.18@7273.76,5636.14
DTR: Q21.2 R135.1 | length 173.6
  Top Layer w10: v1(6251.52,5991.52) 6248.03,5988.03 R135.1@6248.03,5921.87 6259.65,5910.26 6345.47,5910.26 Q21.2@6345.67,5910.06
E0_DIR: IC2.84 R153.1 | length 5191.8
  Top Layer w8: IC2.84@3767.5,3513.73 3769.36,3511.86 3858.14,3511.86 3875,3495 v2(3885,3495)
  Top Layer w12: v1(4710,5750) 4730,5750 5065,6085 5065,6202.92 5146.41,6284.33 5146.41,6352.09 R153.1@5145.41,6353.09
  5v/3.3V w8: v2(3885,3495) 3885,3715 3780,3820 3225,3820 3048.11,3996.89 3048.11,5206.89 3346.21,5505 4465,5505 v1(4710,5750)
E0_DIR1: R153.2 U8.19 | length 407
  Top Layer w8: U8.19@4972.8,6733.84 4973.28,6734.33 5058.41,6734.33 5108.41,6684.33 5108.41,6610.33 5108.41,6484.58 R153.2@5121.88,6471.1
  Top Layer w12: R153.2@5121.88,6467.17 5141.47,6447.58 R153.2@5145.41,6447.58